# Altium PCB STM32F429IGT6.PcbDoc (part 4 of 6)
Units mil, origin at the board's own origin, x right, y up, seen from the top; angles counter-clockwise.
Board outline 3765 x 2155 mil, 2 copper layers (Top Layer, Bottom Layer); 135 components, 194 nets, 727 pads, 429 vias.
Unrouted connection lines stored in the file: 1.
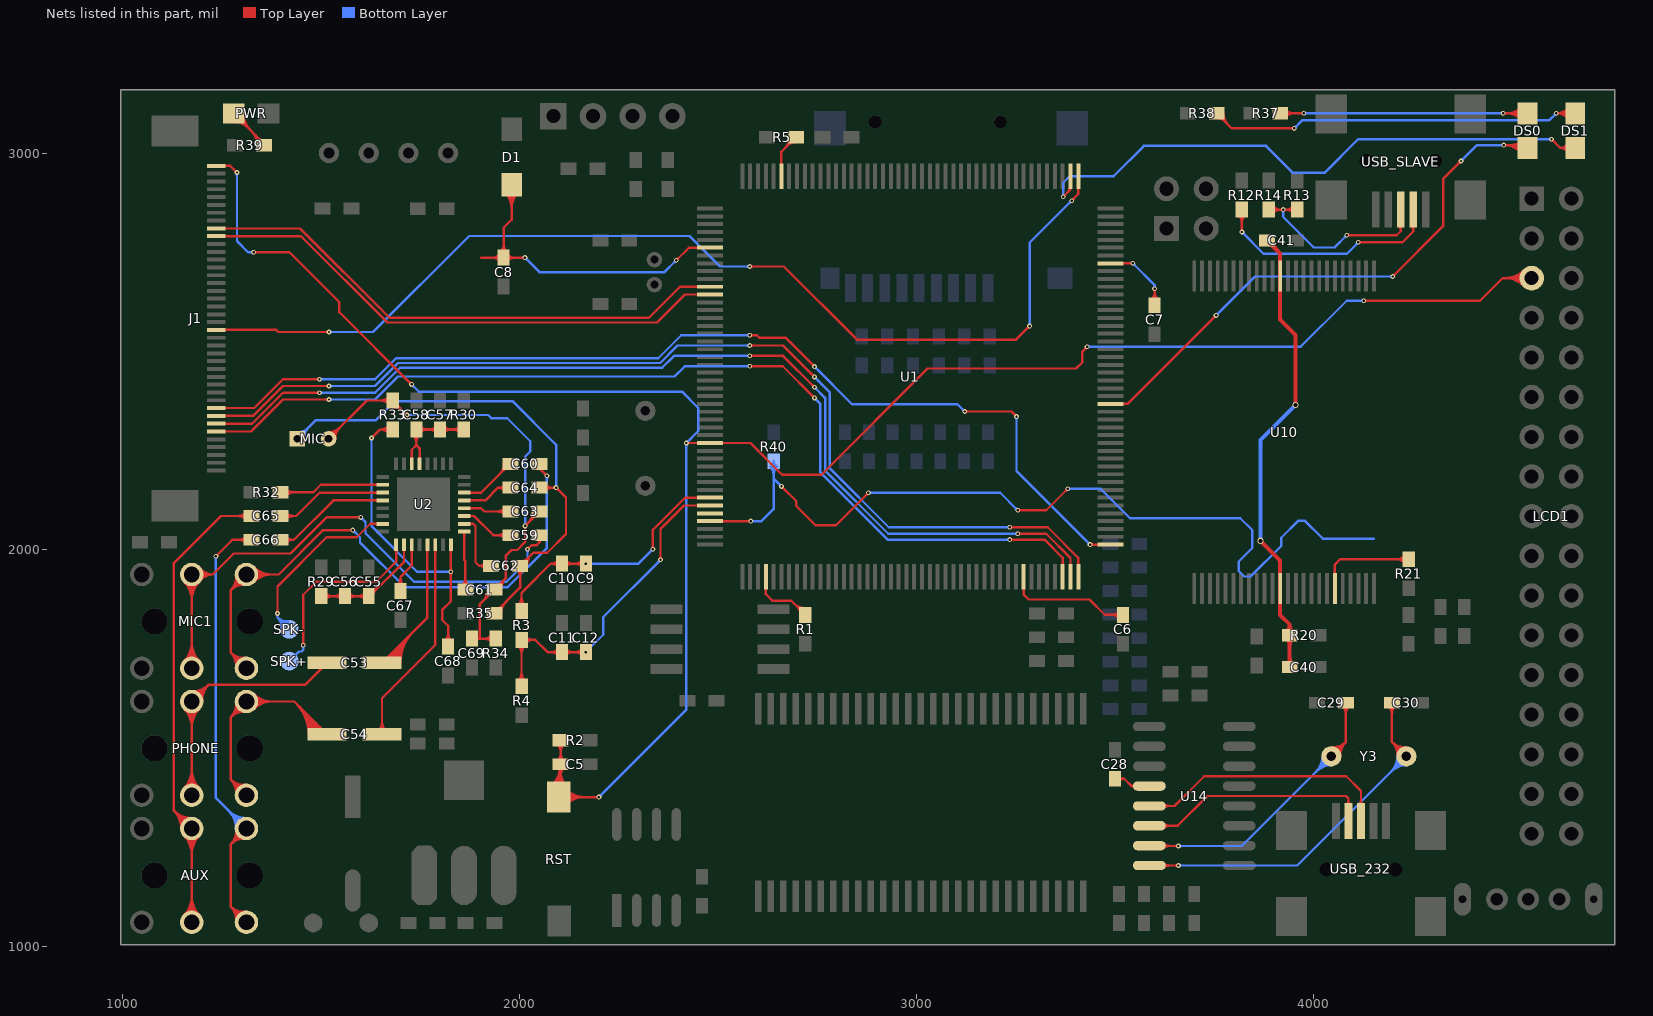
[diagram p4: the nets of this part, all layers, seen from the top]

## Via types
v1: diameter 12, hole 6, Top Layer to Bottom Layer, 405 vias
v2: diameter 16, hole 8, Top Layer to Bottom Layer, 10 vias
v3: diameter 27.56, hole 15.75, Top Layer to Bottom Layer, 9 vias
v4: diameter 16, hole 10, Top Layer to Bottom Layer, 2 vias
v5: diameter 14, hole 8, Top Layer to Bottom Layer, 1 vias
v6: diameter 30, hole 20, Top Layer to Bottom Layer, 1 vias
v7: diameter 26, hole 20, Top Layer to Bottom Layer, 1 vias

## Nets (pads, with @x,y where several pads share a name; then routed paths per layer and width w, separated by ;. In a path a pad name is that pad's centre, name@x,y a point inside that pad or via, vN(x,y) a via of type N, cw(c..) or ccw(c..) an arc to the next point about the centre after c; other vN are vias at no path point) (continued)
LCD_G7: J1.19 U1.133 | length 2793.3
  Top Layer w6: J1.19@1236,2554.33 1386.67,2554.33 1392.04,2548.96 v1(1520,2548.96) v1@1518.96,2550 ; v1@1517.88,2546.84 ccw(c1512.76,2541.72) 1512.76,2548.96 ccw(c1512.76,2556.2) v1@1517.88,2551.08 ; v1(2580,2714) 2665.85,2714 2849.85,2530 3251,2530 v1(3285,2564) ; v1@2582.12,2711.88 cw(c2587.24,2706.76) 2587.24,2714 cw(c2587.24,2721.24) v1@2582.12,2716.12 ; v1@3282,2564 cw(c3274.76,2564) 3279.88,2558.88 cw(c3285,2553.76) v1@3285,2561 ; v1(3391,2880) 3407.78,2896.78 U1.133@3407.78,2941.32 ; v1@3391,2883 ccw(c3391,2890.24) 3396.12,2885.12 ccw(c3401.24,2880) v1@3394,2880
  Bottom Layer w6: v1(1520,2548.96) 1631.11,2548.96 1873.15,2791 2427.97,2791 2504.97,2714 v1(2580,2714) ; v1@1522.12,2546.84 cw(c1527.24,2541.72) 1527.24,2548.96 cw(c1527.24,2556.2) v1@1522.12,2551.08 ; v1@2577.88,2711.88 ccw(c2572.76,2706.76) 2572.76,2714 ccw(c2572.76,2721.24) v1@2577.88,2716.12 ; v1@3282.88,2566.12 ccw(c3277.76,2571.24) 3285,2571.24 ccw(c3292.24,2571.24) v1@3287.12,2566.12 ; v1@3285,2565 3285,2774 v1(3391,2880) ; v1@3388,2880 cw(c3380.76,2880) 3385.88,2874.88 cw(c3391,2869.76) v1@3391,2877
LCD_HSYNC: J1.31 U1.12 | length 1363.3
  Top Layer w6: J1.31@1236,2790.55 1449.48,2790.55 1667.03,2573 2346.62,2573 2417.08,2643.46 U1.12@2480,2643.46
LCD_R3: J1.6 U1.86 | length 2640.7
  Top Layer w6: J1.6@1236,2298.43 1323.31,2298.43 1403.84,2378.96 v1(1520,2378.96) ; v1@1517.88,2376.84 ccw(c1512.76,2371.72) 1512.76,2378.96 ccw(c1512.76,2386.2) v1@1517.88,2381.08 ; v1(2580,2463) 2663,2463 v1(2743,2383) ; v1@2582.12,2460.88 cw(c2587.24,2455.76) 2587.24,2463 cw(c2587.24,2470.24) v1@2582.12,2465.12 ; v1@2740,2383 ccw(c2732.76,2383) 2737.88,2388.12 ccw(c2743,2393.24) v1@2743,2386 ; v1(3235,2026) 3322.41,2026 3368.41,1980 U1.86@3368.41,1932.22 ; v1@3237.12,2023.88 cw(c3242.24,2018.76) 3242.24,2026 cw(c3242.24,2033.24) v1@3237.12,2028.12
  Bottom Layer w6: v1(1520,2378.96) 1635.96,2378.96 1694,2437 2390.7,2437 2416.7,2463 v1(2580,2463) ; v1@1522.12,2376.84 cw(c1527.24,2371.72) 1527.24,2378.96 cw(c1527.24,2386.2) v1@1522.12,2381.08 ; v1@2577.88,2460.88 ccw(c2572.76,2455.76) 2572.76,2463 ccw(c2572.76,2470.24) v1@2577.88,2465.12 ; v1@2743,2380 cw(c2743,2372.76) 2748.12,2377.88 cw(c2753.24,2383) v1@2746,2383 ; v1(2743,2383) 2758,2368 2758,2195.06 2927.06,2026 v1(3235,2026) ; v1@3232.88,2023.88 ccw(c3227.76,2018.76) 3227.76,2026 ccw(c3227.76,2033.24) v1@3232.88,2028.12
LCD_R4: J1.7 U1.87 | length 2679.7
  Top Layer w6: J1.7@1236,2318.11 1326.02,2318.11 1403.87,2395.96 v1(1496,2395.96) ; v1@1493.88,2393.84 ccw(c1488.76,2388.72) 1488.76,2395.96 ccw(c1488.76,2403.2) v1@1493.88,2398.08 ; v1(2580,2489) 2664,2489 v1(2743,2410) ; v1@2582.12,2486.88 cw(c2587.24,2481.76) 2587.24,2489 cw(c2587.24,2496.24) v1@2582.12,2491.12 ; v1@2740,2410 ccw(c2732.76,2410) 2737.88,2415.12 ccw(c2743,2420.24) v1@2743,2413 ; v1(3255,2041) 3327.09,2041 3388.09,1980 U1.87@3388.09,1932.22 ; v1@3257.12,2038.88 cw(c3262.24,2033.76) 3262.24,2041 cw(c3262.24,2048.24) v1@3257.12,2043.12
  Bottom Layer w6: v1(1496,2395.96) 1635.99,2395.96 1699.03,2459 2359.29,2459 2389.29,2489 v1(2580,2489) ; v1@1498.12,2393.84 cw(c1503.24,2388.72) 1503.24,2395.96 cw(c1503.24,2403.2) v1@1498.12,2398.08 ; v1@2577.88,2486.88 ccw(c2572.76,2481.76) 2572.76,2489 ccw(c2572.76,2496.24) v1@2577.88,2491.12 ; v1@2743,2407 cw(c2743,2399.76) 2748.12,2404.88 cw(c2753.24,2410) v1@2746,2410 ; v1(2743,2410) 2770,2383 2770,2200.03 2929.03,2041 v1(3255,2041) ; v1@3252.88,2038.88 ccw(c3247.76,2033.76) 3247.76,2041 ccw(c3247.76,2048.24) v1@3252.88,2043.12
LCD_R5: J1.8 U1.88 | length 2718
  Top Layer w6: J1.8@1236,2337.8 1328.74,2337.8 1403.9,2412.96 v1(1520,2412.96) ; v1@1517.88,2410.84 ccw(c1512.76,2405.72) 1512.76,2412.96 ccw(c1512.76,2420.2) v1@1517.88,2415.08 ; v1(2580,2515) 2664,2515 v1(2743,2436) ; v1@2582.12,2512.88 cw(c2587.24,2507.76) 2587.24,2515 cw(c2587.24,2522.24) v1@2582.12,2517.12 ; v1@2740,2436 ccw(c2732.76,2436) 2737.88,2441.12 ccw(c2743,2446.24) v1@2743,2439 ; v1(3235,2057) 3330.78,2057 3407.78,1980 U1.88@3407.78,1932.22 ; v1@3237.12,2054.88 cw(c3242.24,2049.76) 3242.24,2057 cw(c3242.24,2064.24) v1@3237.12,2059.12
  Bottom Layer w6: v1(1520,2412.96) 1636.02,2412.96 1694.06,2471 2354.32,2471 2398.32,2515 v1(2580,2515) ; v1@1522.12,2410.84 cw(c1527.24,2405.72) 1527.24,2412.96 cw(c1527.24,2420.2) v1@1522.12,2415.08 ; v1@2577.88,2512.88 ccw(c2572.76,2507.76) 2572.76,2515 ccw(c2572.76,2522.24) v1@2577.88,2517.12 ; v1@2743,2433 cw(c2743,2425.76) 2748.12,2430.88 cw(c2753.24,2436) v1@2746,2436 ; v1(2743,2436) 2782,2397 2782,2205 2930,2057 v1(3235,2057) ; v1@3232.88,2054.88 ccw(c3227.76,2049.76) 3227.76,2057 ccw(c3227.76,2064.24) v1@3232.88,2059.12
LCD_R6: J1.9 U1.89 | length 2764.4
  Top Layer w6: J1.9@1236,2357.48 1331.45,2357.48 1403.93,2429.96 v1(1496,2429.96) ; v1@1493.88,2427.84 ccw(c1488.76,2422.72) 1488.76,2429.96 ccw(c1488.76,2437.2) v1@1493.88,2432.08 ; v1(2580,2541) 2598,2541 2604,2535 2670,2535 v1(2743,2462) ; v1@2582.12,2538.88 cw(c2587.24,2533.76) 2587.24,2541 cw(c2587.24,2548.24) v1@2582.12,2543.12 ; v1@2740,2462 ccw(c2732.76,2462) 2737.88,2467.12 ccw(c2743,2472.24) v1@2743,2465 ; v1(3121.75,2348.75) 3239.25,2348.75 v1(3252,2336) ; v1@3123.87,2346.63 cw(c3128.99,2341.51) 3128.99,2348.75 cw(c3128.99,2355.99) v1@3123.87,2350.87 ; v1@3249,2336 ccw(c3241.76,2336) 3246.88,2341.12 ccw(c3252,2346.24) v1@3252,2339 ; v1(3437.46,2013.54) U1.89@3489.09,2013.54 ; v1@3439.58,2011.42 cw(c3444.7,2006.3) 3444.7,2013.54 cw(c3444.7,2020.79) v1@3439.58,2015.67
  Bottom Layer w6: v1(1496,2429.96) 1636.05,2429.96 1689.09,2483 2349.35,2483 2407.35,2541 v1(2580,2541) ; v1@1498.12,2427.84 cw(c1503.24,2422.72) 1503.24,2429.96 cw(c1503.24,2437.2) v1@1498.12,2432.08 ; v1@2577.88,2538.88 ccw(c2572.76,2533.76) 2572.76,2541 ccw(c2572.76,2548.24) v1@2577.88,2543.12 ; v1@2743,2459 cw(c2743,2451.76) 2748.12,2456.88 cw(c2753.24,2462) v1@2746,2462 ; v1(2743,2462) 2838,2367 3103.5,2367 v1(3121.75,2348.75) ; v1@3118.75,2348.75 ccw(c3111.51,2348.75) 3116.63,2353.87 ccw(c3121.75,2358.99) v1@3121.75,2351.75 ; v1@3249.88,2333.88 cw(c3244.76,2328.76) 3252,2328.76 cw(c3259.24,2328.76) v1@3254.12,2333.88 ; v1(3252,2336) 3252,2199 v1(3437.46,2013.54) ; v1@3434.46,2013.54 ccw(c3427.21,2013.54) 3432.33,2018.67 ccw(c3437.46,2023.79) v1@3437.46,2016.54
LCD_RESET: C5.2 J1.40 LCD1.5 R2.2 RST.1 U1.31 | length 6349.8
  Top Layer w6: J1.40@1236,2967.72 1271.28,2967.72 v1(1288,2951) ; v1@1285,2951 ccw(c1277.76,2951) 1282.88,2956.12 ccw(c1288,2961.24) v1@1288,2954 ; v1(1330,2750) 1420,2750 1546,2624 1546,2599 v1(1728,2417) ; v1@1332.12,2747.88 cw(c1337.24,2742.76) 1337.24,2750 cw(c1337.24,2757.24) v1@1332.12,2752.12 ; v1@1725,2417 ccw(c1717.76,2417) 1722.88,2422.12 ccw(c1728,2427.24) v1@1728,2420 ; RST.1@2080.74,1406.19 ccw(c2028.53,1460) C5.2@2103.5,1460 ; RST.1@2084.92,1401.89 ccw(c2042.29,1445.81) C5.2@2103.5,1445.81 ; RST.1@2089.1,1397.58 ccw(c2056.06,1431.63) 2103.5,1431.63 ; RST.1@2093.28,1393.28 ccw(c2069.82,1417.45) 2103.5,1417.45 ; R2.2@2094.49,1510.99 cw(c2072.72,1489.22) 2103.5,1489.22 cw(c2134.28,1489.22) R2.2@2112.51,1510.99 ; C5.2@2095.01,1451.51 cw(c2074.53,1431.03) 2103.5,1431.03 cw(c2132.47,1431.03) C5.2@2111.99,1451.51 ; C5.2@2095.01,1468.49 ccw(c2074.53,1488.97) 2103.5,1488.97 ccw(c2132.47,1488.97) C5.2@2111.99,1468.49 ; R2.2@2098.73,1515.23 cw(c2087.21,1503.71) 2103.5,1503.71 cw(c2119.79,1503.71) R2.2@2108.27,1515.23 ; RST.1@2099.21,1377.31 v1(2200,1377.31) ; RST.1@2103.5,1381.6 C5.2@2103.5,1460 ; 2103.5,1426.37 ccw(c2138.43,1426.37) RST.1@2113.73,1401.67 ; 2103.5,1440.85 ccw(c2152.91,1440.85) RST.1@2117.97,1405.91 ; R2.2@2103.5,1520 C5.2@2103.5,1460 ; RST.1@2109.49,1367.04 cw(c2134.29,1342.24) 2134.29,1377.31 cw(c2134.29,1412.39) RST.1@2109.49,1387.59 ; RST.1@2113.73,1362.8 cw(c2148.77,1327.76) 2148.77,1377.31 cw(c2148.77,1426.87) RST.1@2113.73,1391.83 ; RST.1@2117.97,1358.56 cw(c2163.26,1313.27) 2163.26,1377.31 cw(c2163.26,1441.36) RST.1@2117.97,1396.07 ; v1@2197.88,1375.19 ccw(c2192.76,1370.07) 2192.76,1377.31 ccw(c2192.76,1384.56) v1@2197.88,1379.43 ; v1(2420.45,2269.45) U1.31@2480,2269.45 2581.55,2269.45 2662,2189 2760,2189 3028,2457 3402,2457 3418,2473 3418,2500 v1(3430,2512) ; v1@2422.57,2267.33 cw(c2427.69,2262.21) 2427.69,2269.45 cw(c2427.69,2276.69) v1@2422.57,2271.57 ; v1@3427,2512 cw(c3419.76,2512) 3424.88,2506.88 cw(c3430,2501.76) v1@3430,2509 ; v1(4127,2628) 4420,2628 4477,2685 LCD1.5@4550,2685 ; v1@4129.12,2625.88 cw(c4134.24,2620.76) 4134.24,2628 cw(c4134.24,2635.24) v1@4129.12,2630.12 ; LCD1.5@4530.2,2665.2 ccw(c4482.4,2617.4) 4482.4,2685 ccw(c4482.4,2752.6) LCD1.5@4530.2,2704.8 ; LCD1.5@4534.44,2669.44 ccw(c4496.89,2631.89) 4496.89,2685 ccw(c4496.89,2738.11) LCD1.5@4534.44,2700.56 ; LCD1.5@4538.69,2673.69 ccw(c4511.37,2646.37) 4511.37,2685 ccw(c4511.37,2723.63) LCD1.5@4538.69,2696.31
  Bottom Layer w6: v1@1285.88,2948.88 cw(c1280.76,2943.76) 1288,2943.76 cw(c1295.24,2943.76) v1@1290.12,2948.88 ; v1(1288,2951) 1288,2778 1316,2750 v1(1330,2750) ; v1@1327.88,2747.88 ccw(c1322.76,2742.76) 1322.76,2750 ccw(c1322.76,2757.24) v1@1327.88,2752.12 ; v1@1728,2414 cw(c1728,2406.76) 1733.12,2411.88 cw(c1738.24,2417) v1@1731,2417 ; v1(1728,2417) 1746,2399 2409.18,2399 2450,2358.18 2450,2299 v1(2420.45,2269.45) 2420.45,1597.76 v1(2200,1377.31) ; v1@2200,1380.31 ccw(c2200,1387.56) 2205.12,1382.43 ccw(c2210.24,1377.31) v1@2203,1377.31 ; v1@2418.33,2267.33 cw(c2413.21,2262.21) 2420.45,2262.21 cw(c2427.69,2262.21) v1@2422.57,2267.33 ; v1@2420.45,2272.45 ccw(c2420.45,2279.69) 2425.57,2274.57 ccw(c2430.69,2269.45) v1@2423.45,2269.45 ; v1(3430,2512) 3968,2512 4084,2628 v1(4127,2628) ; v1@3432.12,2509.88 cw(c3437.24,2504.76) 3437.24,2512 cw(c3437.24,2519.24) v1@3432.12,2514.12 ; v1@4124.88,2625.88 ccw(c4119.76,2620.76) 4119.76,2628 ccw(c4119.76,2635.24) v1@4124.88,2630.12
LCD_VSYNC: J1.32 U1.11 | length 1373.8
  Top Layer w6: J1.32@1236,2810 1447,2810 1672,2585 2326,2585 2404.15,2663.15 U1.11@2480,2663.15 ; J1.32@1256.06,2811.59 ccw(c1259.91,2815.44) 1259.91,2810
LED0: DS0.2 U1.107 | length 1639.2
  Top Layer w6: U1.107@3489.09,2367.87 3531.87,2367.87 v1(3755,2591) ; v1@3752,2591 cw(c3744.76,2591) 3749.88,2585.88 cw(c3755,2580.76) v1@3755,2588 ; v1(4200,2689) 4327,2816 4327,2935 v1(4372,2980) ; v1@4200,2692 ccw(c4200,2699.24) 4205.12,2694.12 ccw(c4210.24,2689) v1@4203,2689 ; v1@4369,2980 cw(c4361.76,2980) 4366.88,2974.88 cw(c4372,2969.76) v1@4372,2977 ; v1@4482.12,3017.88 cw(c4487.24,3012.76) 4487.24,3020 cw(c4487.24,3027.24) v1@4482.12,3022.12 ; 4493.58,3020 cw(c4493.58,2973.31) DS0.2@4528.11,3004.75 ; 4497.64,3020 ccw(c4497.64,3057.81) DS0.2@4524.38,3031.08 ; 4507.16,3020 cw(c4507.16,2985.67) DS0.2@4532.54,3008.79 ; 4512.13,3020 ccw(c4512.13,3043.33) DS0.2@4528.62,3026.83 ; DS0.2@4523.67,3000.71 ccw(c4480,2960.94) v1(4480,3020) DS0.2@4532.9,3020
  Bottom Layer w6: v1(3755,2591) 3853,2689 v1(4200,2689) ; v1@3755,2594 ccw(c3755,2601.24) 3760.12,2596.12 ccw(c3765.24,2591) v1@3758,2591 ; v1@4197.88,2686.88 ccw(c4192.76,2681.76) 4192.76,2689 ccw(c4192.76,2696.24) v1@4197.88,2691.12 ; v1(4372,2980) 4412,3020 v1(4480,3020) ; v1@4372,2983 ccw(c4372,2990.24) 4377.12,2985.12 ccw(c4382.24,2980) v1@4375,2980 ; v1@4477.88,3017.88 ccw(c4472.76,3012.76) 4472.76,3020 ccw(c4472.76,3027.24) v1@4477.88,3022.12
LED1: DS1.2 U1.134 | length 1633.6
  Top Layer w6: v1(3370,2890) 3388.09,2908.09 U1.134@3388.09,2941.32 ; v1@3370,2893 ccw(c3370,2900.24) 3375.12,2895.12 ccw(c3380.24,2890) v1@3373,2890 ; 3380.61,2900.61 ccw(c3367.39,2913.84) U1.134@3386.09,2913.84 ; v1@4600,3032 cw(c4600,3024.76) 4605.12,3029.88 cw(c4610.24,3035) v1@4603,3035 ; v1(4600,3035) 4622.04,3012.96 ; DS1.2@4640.83,3002.05 ccw(c4622.04,2991.32) 4622.04,3012.96 ; DS1.2@4640.83,3023.87 cw(c4622.04,3034.6) 4622.04,3012.96 ; DS1.2@4646.04,3005.03 ccw(c4632.38,2997.22) 4632.38,3012.96 ccw(c4632.38,3028.7) DS1.2@4646.04,3020.89 ; DS1.2@4659.94,3012.96 4622.04,3012.96
  Bottom Layer w6: v1@3367.88,2892.12 ccw(c3362.76,2897.24) 3370,2897.24 ccw(c3377.24,2897.24) v1@3372.12,2892.12 ; v1(3370,2890) 3370,2925 3387,2942 3497,2942 3573,3018 3881,3018 3949,2950 4028,2950 4113,3035 v1(4600,3035) ; v1@4597.88,3032.88 ccw(c4592.76,3027.76) 4592.76,3035 ccw(c4592.76,3042.24) v1@4597.88,3037.12
NetAUX_1: AUX.1 C66.2 | length 1777.3
  Top Layer w6: v1(1235,1984) 1276.57,2025.57 C66.2@1324.93,2025.57 ; v1@1235,1987 ccw(c1235,1994.24) 1240.12,1989.12 ccw(c1245.24,1984) v1@1238,1984 ; AUX.1@1285.48,1064.37 ccw(c1238.97,1068.75) 1272,1101.78 ; AUX.1@1285.48,1295.63 cw(c1238.97,1291.25) 1272,1258.22 ; AUX.1@1291.45,1063.81 ccw(c1255.46,1067.2) 1281.02,1092.76 ccw(c1306.58,1118.32) AUX.1@1309.97,1082.33 ; AUX.1@1291.45,1296.19 cw(c1255.46,1292.8) 1281.02,1267.24 cw(c1306.58,1241.68) AUX.1@1309.97,1277.67 ; AUX.1@1297.43,1063.25 ccw(c1271.96,1065.65) 1290.05,1083.73 ccw(c1308.13,1101.82) AUX.1@1310.53,1076.35 ; AUX.1@1297.43,1296.75 cw(c1271.96,1294.36) 1290.05,1276.27 cw(c1308.13,1258.18) AUX.1@1310.53,1283.65 ; AUX.1@1309.41,1088.3 cw(c1305.03,1134.81) 1272,1101.78 ; AUX.1@1309.41,1271.7 ccw(c1305.03,1225.19) 1272,1258.22 ; C66.2@1311.44,2017.09 ccw(c1290.96,1996.6) 1290.96,2025.57 ccw(c1290.96,2054.54) C66.2@1311.44,2034.06 ; AUX.1@1311.89,1061.89 1272,1101.78 ; AUX.1@1311.89,1298.11 1272,1258.22 ; 1272,1101.78 1272,1258.22
  Bottom Layer w6: v1@1232.88,1981.88 cw(c1227.76,1976.76) 1235,1976.76 cw(c1242.24,1976.76) v1@1237.12,1981.88 ; v1(1235,1984) 1235,1375 AUX.1@1311.89,1298.11 ; AUX.1@1285.36,1298.11 ccw(c1221.32,1298.11) 1266.6,1343.4 ccw(c1311.89,1388.68) AUX.1@1311.89,1324.64 ; AUX.1@1291.36,1298.11 ccw(c1241.8,1298.11) 1276.85,1333.15 ccw(c1311.89,1368.2) AUX.1@1311.89,1318.64 ; AUX.1@1297.36,1298.11 ccw(c1262.29,1298.11) 1287.09,1322.91 ccw(c1311.89,1347.71) AUX.1@1311.89,1312.64
NetAUX_2: AUX.2 C65.2 | length 1913.4
  Top Layer w6: AUX.2@1147.57,1298.19 ccw(c1084.18,1298.38) 1129,1343.2 ; AUX.2@1153.57,1298.17 ccw(c1104.52,1298.32) 1139.2,1333 ccw(c1173.88,1367.69) AUX.2@1174.03,1318.64 ; AUX.2@1155.34,1080.65 ccw(c1110.05,1125.93) 1174.09,1125.93 ccw(c1238.14,1125.93) AUX.2@1192.85,1080.65 ; AUX.2@1155.34,1279.35 cw(c1110.05,1234.07) 1174.09,1234.07 cw(c1238.14,1234.07) AUX.2@1192.85,1279.35 ; AUX.2@1159.57,1298.15 ccw(c1124.85,1298.26) 1149.4,1322.8 ccw(c1173.95,1347.35) AUX.2@1174.05,1312.64 ; AUX.2@1159.58,1076.4 ccw(c1124.54,1111.45) 1174.09,1111.45 ccw(c1223.65,1111.45) AUX.2@1188.61,1076.4 ; AUX.2@1159.58,1283.6 cw(c1124.54,1248.55) 1174.09,1248.55 cw(c1223.65,1248.55) AUX.2@1188.61,1283.6 ; AUX.2@1163.82,1072.16 ccw(c1139.02,1096.96) 1174.09,1096.96 ccw(c1209.17,1096.96) AUX.2@1184.37,1072.16 ; AUX.2@1163.82,1287.84 cw(c1139.02,1263.04) 1174.09,1263.04 cw(c1209.17,1263.04) AUX.2@1184.37,1287.84 ; AUX.2@1174.01,1324.64 cw(c1173.82,1388.02) 1129,1343.2 ; AUX.2@1174.09,1061.89 AUX.2@1174.09,1298.11 1129,1343.2 ; C65.2@1311.44,2077.09 ccw(c1290.96,2056.6) 1290.96,2085.57 ccw(c1290.96,2114.54) C65.2@1311.44,2094.06 ; C65.2@1324.93,2085.57 1247.57,2085.57 1129,1967 1129,1343.2
NetC6_2: C6.2 U1.81 | length 361.1
  Top Layer w6: U1.81@3269.98,1932.22 3269.98,1888.02 3283,1875 3436,1875 3474.5,1836.5 C6.2@3520,1836.5 ; C6.2@3511.51,1828.01 ccw(c3491.03,1807.53) 3491.03,1836.5 ccw(c3491.03,1865.47) C6.2@3511.51,1844.99
NetC7_2: C7.2 U1.125 | length 275.4
  Top Layer w6: U1.125@3489.09,2722.2 v1(3545,2722.2) ; v1@3542.88,2720.08 ccw(c3537.76,2714.96) 3537.76,2722.2 ccw(c3537.76,2729.45) v1@3542.88,2724.33 ; C7.2@3591.51,2629.99 ccw(c3571.03,2650.47) 3600,2650.47 ccw(c3628.97,2650.47) C7.2@3608.49,2629.99 ; v1@3597.88,2655.88 cw(c3592.76,2650.76) 3600,2650.76 cw(c3607.24,2650.76) v1@3602.12,2655.88 ; C7.2@3600,2616.5 v1(3600,2658)
  Bottom Layer w6: v1@3545,2719.2 cw(c3545,2711.96) 3550.12,2717.08 cw(c3555.24,2722.2) v1@3548,2722.2 ; v1(3545,2722.2) 3600,2667.2 v1(3600,2658) ; v1@3597.88,2660.12 ccw(c3592.76,2665.24) 3600,2665.24 ccw(c3607.24,2665.24) v1@3602.12,2660.12
NetC8_2: C8.2 D1.2 U1.6 | length 1139.5
  Top Layer w6: 1903.5,2736.5 C8.2@1960,2736.5 ; C8.2@1951.51,2728.01 ccw(c1931.03,2707.53) 1931.03,2736.5 ccw(c1931.03,2765.47) C8.2@1951.51,2744.99 ; C8.2@1951.51,2749.99 ccw(c1931.03,2770.47) 1960,2770.47 ccw(c1988.97,2770.47) C8.2@1968.49,2749.99 ; D1.2@1964.03,2900.09 cw(c1925.46,2861.52) 1980,2861.52 cw(c2034.54,2861.52) D1.2@1995.97,2900.09 ; D1.2@1968.27,2904.33 cw(c1939.95,2876.01) 1980,2876.01 cw(c2020.05,2876.01) D1.2@1991.73,2904.33 ; C8.2@1968.49,2728.01 cw(c1988.97,2707.53) 1988.97,2736.5 cw(c1988.97,2765.47) C8.2@1968.49,2744.99 ; D1.2@1980,2920 1980,2832 1960,2812 C8.2@1960,2736.5 ; v1@2011.38,2734.38 ccw(c2006.26,2729.26) 2006.26,2736.5 ccw(c2006.26,2743.74) v1@2011.38,2738.62 ; v1(2013.5,2736.5) C8.2@1960,2736.5 ; v1(2395,2730) 2426.57,2761.57 U1.6@2480,2761.57 ; v1@2395,2733 ccw(c2395,2740.24) 2400.12,2735.12 ccw(c2405.24,2730) v1@2398,2730
  Bottom Layer w6: v1@2013.5,2733.5 cw(c2013.5,2726.26) 2018.62,2731.38 cw(c2023.74,2736.5) v1@2016.5,2736.5 ; v1(2013.5,2736.5) 2050,2700 2365,2700 v1(2395,2730) ; v1@2392,2730 cw(c2384.76,2730) 2389.88,2724.88 cw(c2395,2719.76) v1@2395,2727
NetC9_2: C9.2 C10.2 R3.2 U1.38 | length 903.2
  Top Layer w6: R3.2@1995.99,1859.77 ccw(c1974.22,1881.53) 2005,1881.53 ccw(c2035.78,1881.53) R3.2@2014.01,1859.77 ; R3.2@2000.23,1855.52 ccw(c1988.71,1867.04) 2005,1867.04 ccw(c2021.29,1867.04) R3.2@2009.77,1855.52 ; R3.2@2005,1846.5 2005,1891.53 2013.5,1900.03 2013.5,1900.5 2078.5,1965.5 ; C10.2@2098.42,1957.11 ccw(c2078.5,1937.66) 2078.5,1965.5 ; C10.2@2098.42,1973.89 cw(c2078.5,1993.34) 2078.5,1965.5 ; C10.2@2115.49,1957.01 cw(c2135.97,1936.53) 2135.97,1965.5 cw(c2135.97,1994.47) C10.2@2115.49,1973.99 ; C9.2@2158.51,1957.01 ccw(c2138.03,1936.53) 2138.03,1965.5 ccw(c2138.03,1994.47) C9.2@2158.51,1973.99 ; C9.2@2164.88,1963.38 ccw(c2159.76,1958.26) 2159.76,1965.5 ccw(c2159.76,1972.74) C9.2@2164.88,1967.62 ; v1(2167,1965.5) C10.2@2107,1965.5 2078.5,1965.5 ; v1@2333.88,2004.12 ccw(c2328.76,2009.24) 2336,2009.24 ccw(c2343.24,2009.24) v1@2338.12,2004.12 ; v1(2336,2002) 2336,2050.76 2416.9,2131.65 U1.38@2480,2131.65
  Bottom Layer w6: v1(2167,1965.5) 2299.5,1965.5 v1(2336,2002) ; v1@2169.12,1963.38 cw(c2174.24,1958.26) 2174.24,1965.5 cw(c2174.24,1972.74) v1@2169.12,1967.62 ; v1@2333,2002 cw(c2325.76,2002) 2330.88,1996.88 cw(c2336,1991.76) v1@2336,1999
NetC11_2: C11.2 C12.2 R3.1 R4.1 U1.39 | length 1233.3
  Top Layer w6: R4.1@1995.99,1669.77 ccw(c1974.22,1691.53) 2005,1691.53 ccw(c2035.78,1691.53) R4.1@2014.01,1669.77 ; R3.1@1995.99,1760.23 cw(c1974.22,1738.47) 2005,1738.47 cw(c2035.78,1738.47) R3.1@2014.01,1760.23 ; R4.1@2000.23,1665.52 ccw(c1988.71,1677.04) 2005,1677.04 ccw(c2021.29,1677.04) R4.1@2009.77,1665.52 ; R3.1@2000.23,1764.48 cw(c1988.71,1752.96) 2005,1752.96 cw(c2021.29,1752.96) R3.1@2009.77,1764.48 ; R4.1@2005,1656.5 R3.1@2005,1773.5 2039.5,1773.5 2070.5,1742.5 C11.2@2107,1742.5 v1(2167,1742.5) ; R3.1@2009.77,1768.73 cw(c2021.29,1757.21) 2021.29,1773.5 cw(c2021.29,1789.79) R3.1@2009.77,1778.27 ; R3.1@2014.01,1764.49 cw(c2035.78,1742.72) 2035.78,1773.5 cw(c2035.78,1804.28) R3.1@2014.01,1782.51 ; C11.2@2098.51,1734.01 ccw(c2078.03,1713.53) 2078.03,1742.5 ccw(c2078.03,1771.47) C11.2@2098.51,1750.99 ; C11.2@2115.49,1734.01 cw(c2135.97,1713.53) 2135.97,1742.5 cw(c2135.97,1771.47) C11.2@2115.49,1750.99 ; C12.2@2158.51,1734.01 ccw(c2138.03,1713.53) 2138.03,1742.5 ccw(c2138.03,1771.47) C12.2@2158.51,1750.99 ; C12.2@2164.88,1740.38 ccw(c2159.76,1735.26) 2159.76,1742.5 ccw(c2159.76,1749.74) C12.2@2164.88,1744.62 ; v1@2352.88,1977.12 ccw(c2347.76,1982.24) 2355,1982.24 ccw(c2362.24,1982.24) v1@2357.12,1977.12 ; v1(2355,1975) 2355,2052.79 2414.18,2111.97 U1.39@2480,2111.97
  Bottom Layer w6: v1(2167,1742.5) 2211,1786.5 2211,1831 v1(2355,1975) ; v1@2167,1745.5 ccw(c2167,1752.74) 2172.12,1747.62 ccw(c2177.24,1742.5) v1@2170,1742.5 ; v1@2352,1975 cw(c2344.76,1975) 2349.88,1969.88 cw(c2355,1964.76) v1@2355,1972
NetC28_2: C28.2 U14.4 | length 145.1
  Top Layer w6: C28.2@3500,1423.5 3523.5,1423.5 ; C28.2@3509.72,1416.46 cw(c3523.5,1406.49) 3523.5,1423.5 ; C28.2@3509.72,1430.54 ccw(c3523.5,1440.51) 3523.5,1423.5 ; U14.4@3549.66,1400.59 ccw(c3542,1396.15) 3542,1405 ; U14.4@3549.66,1409.41 cw(c3542,1413.85) 3542,1405 ; U14.4@3586.81,1405 3542,1405 ; 3523.5,1423.5 3542,1405
NetC29_2: C29.2 U14.7 Y3.1 | length 1089.5
  Top Layer w6: U14.7@3586.81,1255 3587.81,1254 v1(3660,1254) ; U14.7@3622.57,1248.77 cw(c3635.2,1236.14) 3635.2,1254 ; U14.7@3622.57,1261.23 ccw(c3640.02,1278.69) 3640.02,1254 ; v1@3657.88,1251.88 ccw(c3652.76,1246.76) 3652.76,1254 ccw(c3652.76,1261.24) v1@3657.88,1256.12 ; Y3.1@4045.51,1480 4082.01,1516.5 ; Y3.1@4046.17,1496.58 ccw(c4047.56,1531.56) 4072.32,1506.8 ccw(c4097.07,1482.05) Y3.1@4062.09,1480.66 ; Y3.1@4046.41,1502.57 ccw(c4048.3,1550.21) 4082.01,1516.5 ; Y3.1@4068.08,1480.9 cw(c4115.72,1482.79) 4082.01,1516.5 ; C29.2@4073.53,1606.51 cw(c4053.04,1586.03) 4082.01,1586.03 cw(c4110.98,1586.03) C29.2@4090.5,1606.51 ; C29.2@4082.01,1615 4082.01,1516.5
  Bottom Layer w6: v1(3660,1254) 3819.51,1254 Y3.1@4045.51,1480 ; v1@3662.12,1251.88 cw(c3667.24,1246.76) 3667.24,1254 cw(c3667.24,1261.24) v1@3662.12,1256.12 ; Y3.1@4022.92,1480 cw(c3968.38,1480) 4006.95,1441.44 cw(c4045.51,1402.87) Y3.1@4045.51,1457.41 ; Y3.1@4028.92,1480 cw(c3988.87,1480) 4017.19,1451.68 cw(c4045.51,1423.36) Y3.1@4045.51,1463.41
NetC30_1: C30.1 U14.8 Y3.2 | length 1298.4
  Top Layer w6: U14.8@3586.81,1205 v1(3660,1205) ; U14.8@3622.57,1198.77 cw(c3637.61,1183.73) 3637.61,1205 cw(c3637.61,1226.27) U14.8@3622.57,1211.23 ; v1@3657.88,1202.88 ccw(c3652.76,1197.76) 3652.76,1205 ccw(c3652.76,1212.24) v1@3657.88,1207.12 ; C30.1@4189.5,1606.51 cw(c4169.02,1586.03) 4197.99,1586.03 cw(c4226.96,1586.03) C30.1@4206.47,1606.51 ; C30.1@4197.99,1615 4197.99,1516.5 ; Y3.2@4211.92,1480.9 ccw(c4164.28,1482.79) 4197.99,1516.5 ; Y3.2@4217.91,1480.66 ccw(c4182.93,1482.05) 4207.68,1506.8 ccw(c4232.44,1531.56) Y3.2@4233.83,1496.58 ; Y3.2@4233.59,1502.57 cw(c4231.7,1550.21) 4197.99,1516.5 ; Y3.2@4234.49,1480 4197.99,1516.5